# Altium PCB HDMI_to_RGB.PcbDoc (part 2 of 2)
Units mil, origin at the board's own origin, x right, y up, seen from the top; angles counter-clockwise.
Board outline 2363 x 1449 mil, 2 copper layers (Top Layer, Bottom Layer); 96 components, 139 nets, 535 pads, 200 vias.
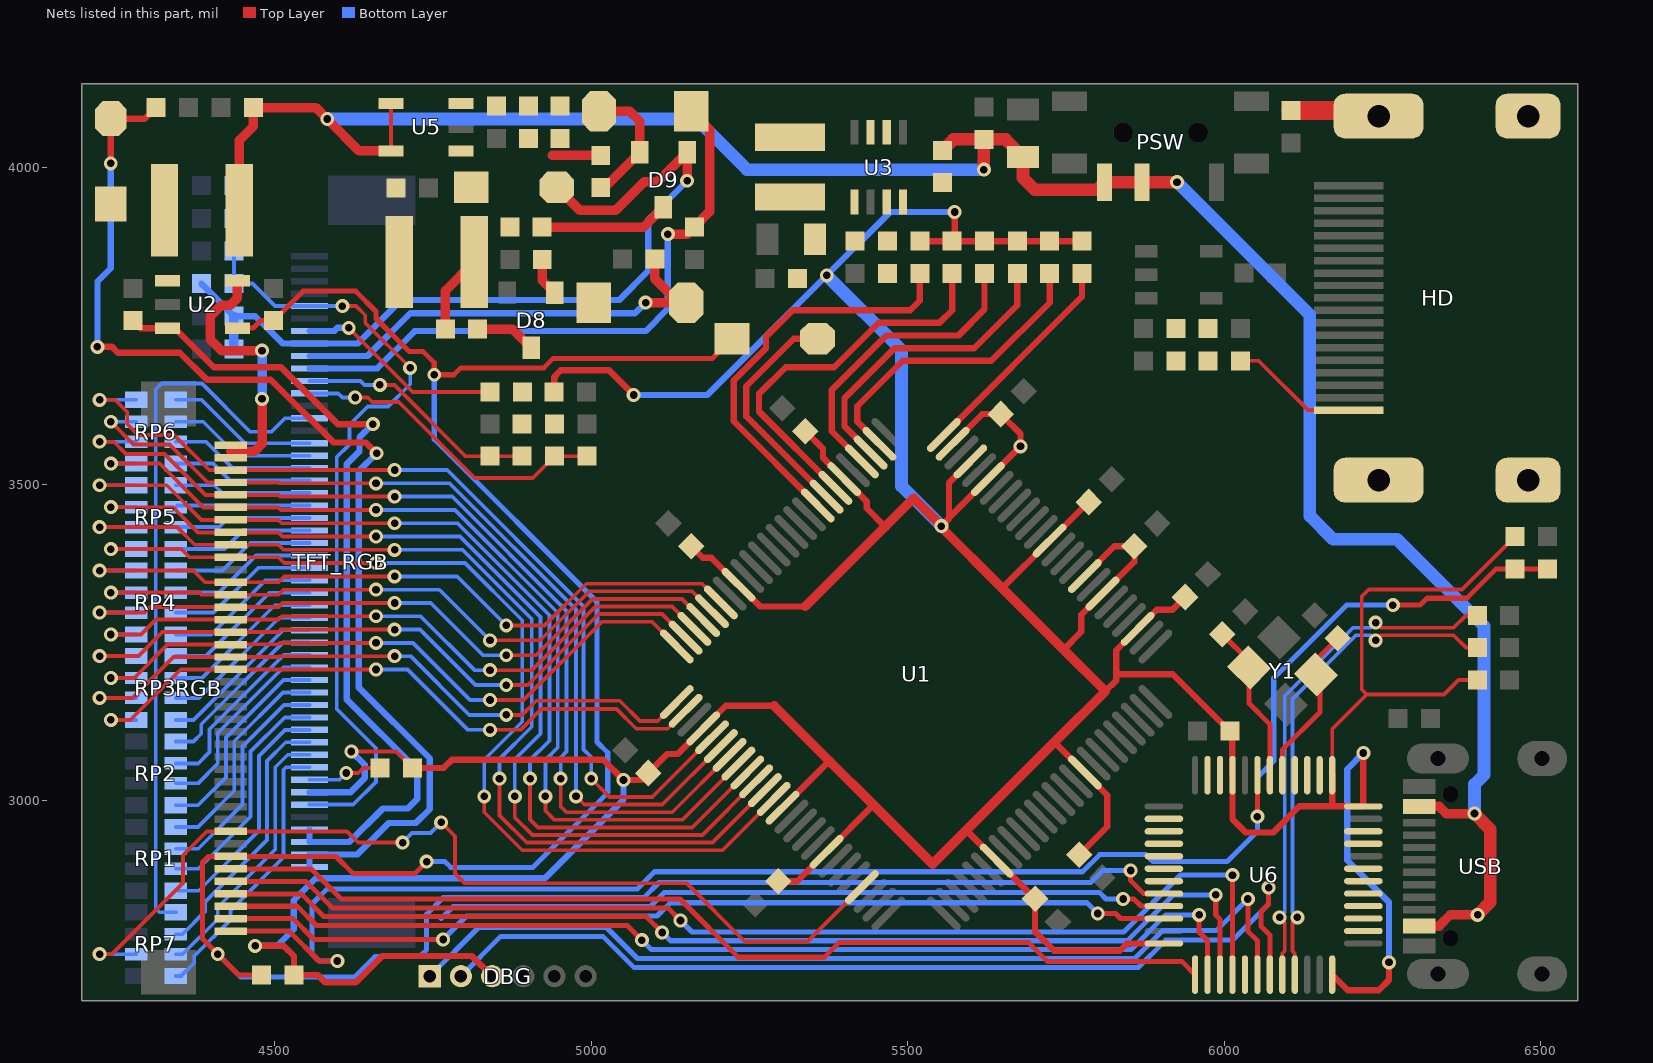
[diagram p2: the nets of this part, all layers, seen from the top]

## Via types
v1: diameter 22, hole 12, Top Layer to Bottom Layer, 146 vias
v2: diameter 22/22 (per signal layer), hole 12, Top Layer to Bottom Layer, 53 vias
v3: diameter 200, hole 150, Top Layer to Bottom Layer, 1 vias

## Nets (pads, with @x,y where several pads share a name; then routed paths per layer and width w, separated by ;. In a path a pad name is that pad's centre, name@x,y a point inside that pad or via, vN(x,y) a via of type N, cw(c..) or ccw(c..) an arc to the next point about the centre after c; other vN are vias at no path point) (continued)
LCD_BL: D2.1 R25.1 R27.1 RGB.34 U2.4 U6.20 | length 4264.9
  Top Layer w8: U2.4@4441.12,3746.6 4465.6,3746.6 4477.41,3758.41 R25.1@4498,3758.41 4544.6,3805 4628,3805 4660,3773 4660,3762 4712,3710 4734,3710 4752,3692 v1(4752,3673) 4783,3673 4794,3684 4925,3684 4940,3699 5191.5,3699 D2.1@5222.5,3730 ; R27.1@4479.41,2725 4443,2725 v1(4410,2758) 4386,2782 4386,2903 4395.25,2912.25 RGB.34@4430.31,2912.25 4596.75,2912.25 4624,2885 4721,2885 v1(4740,2904) ; v1(5852,2890) 5852,2874 5872.53,2853.47 U6.20@5904.54,2853.47
  Bottom Layer w8: v1(4410,2758) 4446,2722 4627,2722 4659,2754 4729,2754 4740,2765 4740,2821 4766,2847 5083,2847 5107,2871 5789,2871 5808,2890 v1(5852,2890) ; v1(4740,2904) 4769,2904 4778,2895 4908,2895 5026,3013 5026,3076 5009,3093 5009,3314 4752,3571 v1(4752,3673)
LCD_G0: RGB.12 RP4.7 U1.20 | length 1121.8
  Top Layer w6: v1(4223.39,3363.6) 4371.4,3363.6 4389.68,3345.32 RGB.12@4430.31,3345.32 4506,3345.32 4515.19,3354.51 v1(4689.55,3354.51) ; v1(4865.71,3277.14) 4926.14,3277.14 4992,3343 5175.13,3343 U1.20@5204.67,3313.45
  Bottom Layer w6: v1(4223.39,3363.6) RP4.7@4281,3363.6 ; v1(4689.55,3354.51) 4788.35,3354.51 v1(4865.71,3277.14)
LCD_G1: RGB.13 RP4.5 U1.21 | length 1072.1
  Top Layer w6: v1(4241.25,3328.95) 4381.05,3328.95 4384.36,3325.64 RGB.13@4430.31,3325.64 4506,3325.64 4513.87,3333.51 v1(4660,3333.51) ; v1(4840,3253.57) 4919.54,3253.57 4996.97,3331 5159.29,3331 U1.21@5190.75,3299.53
  Bottom Layer w6: v1(4241.25,3328.95) RP4.5@4281,3328.95 ; v1(4660,3333.51) 4760.06,3333.51 v1(4840,3253.57)
LCD_G2: RGB.14 RP4.3 U1.22 | length 1103
  Top Layer w6: v1(4223.39,3297.45) 4294.45,3297.45 4302.95,3305.95 RGB.14@4430.31,3305.95 4506,3305.95 4512.56,3312.51 v1(4689.55,3312.51) ; v1(4865.71,3230) 4912.94,3230 5001.94,3319 5143.45,3319 U1.22@5176.83,3285.62
  Bottom Layer w6: v1@4222.55,3297.45 v1(4223.39,3297.45) RP4.3@4281,3297.45 ; v1(4689.55,3312.51) 4746.49,3312.51 4829,3230 v1(4865.71,3230)
LCD_G3: RGB.15 RP4.1 U1.23 | length 1064.9
  Top Layer w6: v1(4241.25,3262.81) 4288.81,3262.81 4312.27,3286.27 RGB.15@4430.31,3286.27 4506,3286.27 4511.25,3291.52 v1(4660,3291.52) ; v1(4840,3206.43) 4906.34,3206.43 5006.91,3307 5127.61,3307 U1.23@5162.92,3271.7
  Bottom Layer w6: v1@4241.19,3262.81 v1(4241.25,3262.81) RP4.1@4281,3262.81 ; v1(4660,3291.52) 4730.48,3291.52 4815.57,3206.43 v1(4840,3206.43)
LCD_G4: RGB.16 RP3.7 U1.24 | length 1098.8
  Top Layer w6: v1(4223.39,3228.7) 4284.7,3228.7 4322.58,3266.58 RGB.16@4430.31,3266.58 4506,3266.58 4509.94,3270.52 v1(4689.55,3270.52) ; v1(4865.71,3182.86) 4899.74,3182.86 5011.88,3295 5111.77,3295 U1.24@5149,3257.78
  Bottom Layer w6: v1@4223.3,3228.7 v1(4223.39,3228.7) RP3.7@4281,3228.7 ; v1(4689.55,3270.52) 4729.48,3270.52 4817.14,3182.86 v1(4865.71,3182.86)
LCD_G5: RGB.17 RP3.5 U1.25 | length 1061.7
  Top Layer w6: v1(4241.25,3194.05) 4278.05,3194.05 4330.9,3246.9 RGB.17@4430.31,3246.9 4430.62,3247.21 4506,3247.21 4508.31,3249.52 v1(4660,3249.52) ; v1(4840,3159.29) 4893.14,3159.29 5016.85,3283 5095.93,3283 U1.25@5135.08,3243.86
  Bottom Layer w6: v1@4240.95,3194.05 v1(4241.25,3194.05) RP3.5@4281,3194.05 ; v1(4660,3249.52) 4718.48,3249.52 4808.71,3159.29 v1(4840,3159.29)
LCD_G6: RGB.18 RP3.3 U1.26 | length 1071
  Top Layer w6: v1(4223.39,3162.55) 4275.55,3162.55 4340.21,3227.21 RGB.18@4430.31,3227.21 4506,3227.21 4507.31,3228.52 v1(4689.55,3228.52) ; v1(4865.71,3135.71) 4890.71,3135.71 4913,3158 5045,3158 5077,3126 5104.93,3126 U1.26@5135.08,3156.14
  Bottom Layer w6: v1@4222.45,3162.55 v1(4223.39,3162.55) RP3.3@4281,3162.55 ; v1(4689.55,3228.52) 4714.48,3228.52 4807.29,3135.71 v1(4865.71,3135.71)
LCD_G7: RGB.19 RP3.1 U1.27 | length 1058.1
  Top Layer w6: v1(4241.25,3127.91) 4271.91,3127.91 4351.53,3207.53 RGB.19@4430.31,3207.53 v1(4660,3207.53) ; v1(4840,3112.14) 4888.14,3112.14 4921,3145 5040,3145 5071,3114 5120.77,3114 U1.27@5149,3142.22
  Bottom Layer w6: v1(4241.25,3127.91) RP3.1@4281,3127.91 ; v1(4660,3207.53) 4709.68,3207.53 4805.06,3112.14 v1(4840,3112.14)
LCD_LR: R20.2 R21.1 TFT_RGB.39 | length 507.6
  Top Layer w6: v1(4627,3637) 4647,3637 4654,3630 4696,3630 4816,3510 4907.58,3510 R20.2@4942,3544.41 R21.1@4993,3544.41
  Bottom Layer w6: TFT_RGB.39@4555,3643.61 4600.39,3643.61 4607,3637 v1(4627,3637)
LCD_R0: RGB.3 RP6.7 U1.30 | length 1487.4
  Top Layer w6: v1(4223.39,3633.39) 4247.61,3633.39 4267,3614 4267,3595 4284,3578 4341,3578 4396.51,3522.49 RGB.3@4430.31,3522.49 4506,3522.49 v1(4689.55,3522.49) ; v1(5000,3035) 5029,3006 5096.29,3006 U1.30@5190.75,3100.46
  Bottom Layer w6: v1(4223.39,3633.39) RP6.7@4281,3633.39 ; v1(4689.55,3522.49) 4772.51,3522.49 4987.86,3307.14 4987.86,3081.14 5000,3069 v1(5000,3035)
LCD_R1: RGB.4 RP6.5 U1.31 | length 1464.9
  Top Layer w6: v1(4241.25,3598.75) 4277,3563 4334,3563 4394.2,3502.8 RGB.4@4430.31,3502.8 4506,3502.8 4507.31,3501.49 v1(4660,3501.49) ; v1(4975.86,3007) 4988.86,2994 5112.13,2994 U1.31@5204.67,3086.55
  Bottom Layer w6: v1(4241.25,3598.75) RP6.5@4281,3598.75 ; v1(4660,3501.49) 4776.54,3501.49 4975.86,3302.17 v1(4975.86,3007)
LCD_R2: RGB.5 RP6.3 U1.32 | length 1528.1
  Top Layer w6: v1@4222.75,3567.25 v1(4223.39,3567.25) 4245.75,3567.25 4265,3548 4326,3548 4390.88,3483.12 RGB.5@4430.31,3483.12 4506,3483.12 4508.63,3480.49 v1(4689.55,3480.49) ; v1(4951.71,3035) 4951.71,2991.29 4961,2982 5127.97,2982 U1.32@5218.59,3072.63
  Bottom Layer w6: v1@4222.75,3567.25 v1(4223.39,3567.25) RP6.3@4281,3567.25 ; v1(4689.55,3480.49) 4780.57,3480.49 4961,3300.06 4961,3078 4951.71,3068.71 v1(4951.71,3035)
LCD_R3: RGB.6 RP6.1 U1.33 | length 1511.4
  Top Layer w6: v1(4241.25,3532.61) 4318.39,3532.61 4387.57,3463.43 RGB.6@4430.31,3463.43 4506,3463.43 4509.94,3459.5 v1(4660,3459.5) ; v1(4927.57,3007) 4927.57,2984.43 4942,2970 5143.81,2970 U1.33@5232.51,3058.71
  Bottom Layer w6: v1(4241.25,3532.61) RP6.1@4281,3532.61 ; v1(4660,3459.5) 4784.59,3459.5 4947,3297.09 4947,3084.03 4927.57,3064.6 v1(4927.57,3007)
LCD_R4: RGB.7 RP5.7 U1.34 | length 1572.7
  Top Layer w6: v1(4223.39,3498.49) 4329.51,3498.49 4384.25,3443.75 RGB.7@4430.31,3443.75 4506,3443.75 4511.25,3438.5 v1(4689.55,3438.5) ; v1(4903.43,3035) 4903.43,2970.57 4916,2958 5159.64,2958 U1.34@5246.43,3044.79
  Bottom Layer w6: v1(4223.39,3498.49) RP5.7@4281,3498.49 ; v1(4689.55,3438.5) 4788.62,3438.5 4934,3293.12 4934,3095 4903.43,3064.43 v1(4903.43,3035)
LCD_R5: RGB.8 RP5.5 U1.35 | length 1551.6
  Top Layer w6: v1(4241.15,3463.85) 4339.15,3463.85 4378.94,3424.06 RGB.8@4430.31,3424.06 4506,3424.06 4512.56,3417.5 v1(4660,3417.5) ; v1(4879.29,3007) 4879.29,2973.71 4907,2946 5175.48,2946 U1.35@5260.35,3030.87
  Bottom Layer w6: v1(4241.15,3463.85) RP5.5@4281,3463.85 ; v1(4660,3417.5) 4792.65,3417.5 4920,3290.15 4920,3106 4879.29,3065.29 v1(4879.29,3007)
LCD_R6: RGB.9 RP5.3 U1.36 | length 1603
  Top Layer w6: v1(4223.39,3432.35) 4345.65,3432.35 4373.62,3404.38 RGB.9@4430.31,3404.38 4506,3404.38 4513.87,3396.5 v1(4689.55,3396.5) ; v1(4855.14,3035) 4855.14,2976.86 4898,2934 5191.32,2934 U1.36@5274.27,3016.95
  Bottom Layer w6: v1(4223.39,3432.35) RP5.3@4281,3432.35 ; v1(4689.55,3396.5) 4796.67,3396.5 4906,3287.18 4906,3117 4855.14,3066.14 v1(4855.14,3035)
LCD_R7: RGB.10 RP5.1 U1.37 | length 1579.8
  Top Layer w6: v1(4241.25,3397.71) 4352.29,3397.71 4365.31,3384.69 RGB.10@4430.31,3384.69 4506,3384.69 4515.19,3375.51 v1(4660,3375.51) ; v1(4831,3007) 4831,2982 4891,2922 5207.16,2922 U1.37@5288.19,3003.03
  Bottom Layer w6: v1(4241.25,3397.71) RP5.1@4281,3397.71 ; v1(4660,3375.51) 4800.7,3375.51 4891,3285.21 4891,3124.98 4831,3064.98 v1(4831,3007)
LCD_UD: R22.2 R23.1 TFT_RGB.40 | length 385.2
  Top Layer w6: v1(4666,3657) 4689,3657 4801.59,3544.41 R22.2@4891,3544.41
  Bottom Layer w6: TFT_RGB.40@4555,3663.3 4635.7,3663.3 4642,3657 v1(4666,3657)
NetC13_1: C13.1 C14.1 R17.1 R18.1 TFT_RGB.6 TFT_RGB.46 | length 1361.5
  Top Layer w6: v1(4607,3781.41) 4628.59,3781.41 4643,3767 4643,3755 v1(4714,3684)
  Bottom Layer w6: C13.1@4435.59,3971.58 R17.1@4435.59,3817.04 4464.96,3817.04 4500.59,3781.41 TFT_RGB.46@4555,3781.41 v1(4607,3781.41) ; TFT_RGB.6@4555,2994.01 4624.01,2994.01 4660,3030 4660,3083 4598,3145 4598,3543 4618,3563 4618,3594 4647,3623 4679,3623 4714,3658 v1(4714,3684)
NetC24_1: C24.1 D6.1 D8.1 | length 60.9
  Top Layer w15: C24.1@4922.59,3855 4922.59,3822.11 D8.1@4942.4,3802.31
NetC25_1: C25.1 D8.3 | length 96.5
  Top Layer w15: C25.1@4820.59,3745 4875.69,3745 D8.3@4905,3715.69
NetC25_2: C25.2 C26.1 D5.1 L5.1 U5.1 | length 124.9
  Top Layer w15: C25.2@4769.41,3745 4769.41,3805.36 L5.1@4815.06,3851
NetC26_2: C26.2 D9.3 | length 204.5
  Top Layer w15: C26.2@4922.59,3906 5082.3,3906 D9.3@5114,3937.69
NetC27_2: C27.2 D7.2 D9.2 | length 204.9
  Top Layer w15: D7.2@5011.97,4089 5061,4089 5076.6,4073.4 D9.2@5076.6,4024.31 5020.7,3968.41 C27.2@5015,3968.41
NetC32_2: C32.2 R31.2 R32.2 U5.3
NetD1_1: D1.1 L1.2 U2.1
NetHD_19: HD.19 R1.2 | length 203.1
  Top Layer w6: R1.2@6025.59,3695 6054,3695 6131.88,3617.12 HD.19@6196.45,3617.12
NetHD_G1: HD.G1 HD.G2 HD.G3 HD.G4 R4.2 | length 142.3
  Top Layer w30: R4.2@6105,4090.59 6234.49,4090.59 HD.G4@6243.57,4081.5
NetL3_2: L3.2 U3.3
NetR1_1: R1.1 R2.1 R3.1 R5.1
NetR16_2: R16.2 TFT_RGB.8 | length 119.1
  Top Layer w6: v1(4613,3044) 4632,3044 4640,3052 R16.2@4666.41,3052
  Bottom Layer w6: TFT_RGB.8@4555,3033.38 4602.38,3033.38 v1(4613,3044)
NetR19_1: R19.1 TFT_RGB.44 | length 328.9
  Top Layer w6: v1(4617,3747) 4718,3646 R19.1@4840,3646
  Bottom Layer w10: TFT_RGB.44@4555,3742.04 4594.04,3742.04 4599,3747 v1(4617,3747)
NetR28_1: R28.1 U3.8
NetR29_2: R29.2 R30.1 U3.7
NetRP1_2: RP1.2 TFT_RGB.12 | length 385.3
  Bottom Layer w6: RP1.2@4343.99,2858.11 4380.11,2858.11 4475,2953 4475,3071 4516.12,3112.12 TFT_RGB.12@4555,3112.12
NetRP1_4: RP1.4 TFT_RGB.13 | length 370.4
  Bottom Layer w6: RP1.4@4343.99,2892.76 4379.76,2892.76 4462,2975 4462,3078 4515.8,3131.8 TFT_RGB.13@4555,3131.8
NetRP1_6: RP1.6 TFT_RGB.14 | length 359
  Bottom Layer w6: RP1.6@4343.99,2924.25 4379.25,2924.25 4449,2994 4449,3086 4514.49,3151.49 TFT_RGB.14@4555,3151.49
NetRP1_8: RP1.8 TFT_RGB.15 | length 344.6
  Bottom Layer w6: RP1.8@4343.99,2958.9 4378.9,2958.9 4436,3016 4436,3094 4513.17,3171.17 TFT_RGB.15@4555,3171.17
NetRP2_2: RP2.2 TFT_RGB.16 | length 329.9
  Bottom Layer w6: RP2.2@4343.99,2993.01 4379.01,2993.01 4423,3037 4423,3100 4513.86,3190.86 TFT_RGB.16@4555,3190.86
NetRP2_4: RP2.4 TFT_RGB.17 | length 314.9
  Bottom Layer w6: RP2.4@4343.99,3027.66 4378.66,3027.66 4410,3059 4410,3107 4513.54,3210.54 TFT_RGB.17@4555,3210.54
NetRP2_6: RP2.6 TFT_RGB.18 | length 303
  Bottom Layer w6: RP2.6@4343.99,3059.15 4379.15,3059.15 4397,3077 4397,3113 4514.23,3230.23 TFT_RGB.18@4555,3230.23
NetRP2_8: RP2.8 TFT_RGB.19 | length 284.5
  Bottom Layer w6: RP2.8@4343.99,3093.8 4371.8,3093.8 4384,3106 4384,3121 4512.91,3249.91 TFT_RGB.19@4555,3249.91
NetRP3_2: RP3.2 TFT_RGB.20 | length 269.7
  Bottom Layer w6: RP3.2@4343.99,3127.91 4371.91,3127.91 4513.6,3269.6 TFT_RGB.20@4555,3269.6
NetRP3_4: RP3.4 TFT_RGB.21 | length 263.5
  Bottom Layer w6: RP3.4@4343.99,3162.55 4380.55,3162.55 4507.28,3289.28 TFT_RGB.21@4555,3289.28
NetRP3_6: RP3.6 TFT_RGB.22 | length 258.6
  Bottom Layer w6: RP3.6@4343.99,3194.05 4385.05,3194.05 4499.97,3308.97 TFT_RGB.22@4555,3308.97
NetRP3_8: RP3.8 TFT_RGB.23 | length 252.4
  Bottom Layer w6: RP3.8@4343.99,3228.7 4391.7,3228.7 4491.65,3328.65 TFT_RGB.23@4555,3328.65
NetRP4_2: RP4.2 TFT_RGB.24 | length 246.4
  Bottom Layer w6: RP4.2@4343.99,3262.81 4399.81,3262.81 4485.34,3348.34 TFT_RGB.24@4555,3348.34
NetRP4_4: RP4.4 TFT_RGB.25 | length 240.2
  Bottom Layer w6: RP4.4@4343.99,3297.45 4403.45,3297.45 4474.02,3368.02 TFT_RGB.25@4555,3368.02
NetRP4_6: RP4.6 TFT_RGB.26 | length 235.3
  Bottom Layer w6: RP4.6@4343.99,3328.95 4411.95,3328.95 4470.71,3387.71 TFT_RGB.26@4555,3387.71
NetRP4_8: RP4.8 TFT_RGB.27 | length 229.1
  Bottom Layer w6: RP4.8@4343.99,3363.6 4417.6,3363.6 4461.39,3407.39 TFT_RGB.27@4555,3407.39
NetRP5_2: RP5.2 TFT_RGB.28 | length 223.2
  Bottom Layer w6: RP5.2@4343.99,3397.71 4420.71,3397.71 4450.08,3427.08 TFT_RGB.28@4555,3427.08
NetRP5_4: RP5.4 TFT_RGB.29 | length 217
  Bottom Layer w6: RP5.4@4343.99,3432.35 4412.35,3432.35 4426.76,3446.76 TFT_RGB.29@4555,3446.76
NetRP5_6: RP5.6 TFT_RGB.30 | length 212.1
  Bottom Layer w6: RP5.6@4343.99,3463.85 4346.59,3466.45 TFT_RGB.30@4555,3466.45
NetRP5_8: RP5.8 TFT_RGB.31 | length 216.1
  Bottom Layer w6: RP5.8@4343.99,3498.49 4404.51,3498.49 4416.87,3486.13 TFT_RGB.31@4555,3486.13
NetRP6_2: RP6.2 TFT_RGB.32 | length 222.1
  Bottom Layer w6: RP6.2@4343.99,3532.61 4402.39,3532.61 4429.18,3505.82 TFT_RGB.32@4555,3505.82
NetRP6_4: RP6.4 TFT_RGB.33 | length 228.3
  Bottom Layer w6: RP6.4@4343.99,3567.25 4391.75,3567.25 4433.5,3525.5 TFT_RGB.33@4555,3525.5
NetRP6_6: RP6.6 TFT_RGB.34 | length 233.2
  Bottom Layer w6: RP6.6@4343.99,3598.75 4387.25,3598.75 4440.81,3545.19 TFT_RGB.34@4555,3545.19
NetRP6_8: RP6.8 TFT_RGB.35 | length 239.4
  Bottom Layer w6: RP6.8@4343.99,3633.39 4384.61,3633.39 4453.13,3564.87 TFT_RGB.35@4555,3564.87
NetRP7_2: RP7.2 TFT_RGB.9 | length 443.7
  Bottom Layer w6: RP7.2@4343.99,2723.21 4352.21,2723.21 4373,2744 4373,2755 4430,2812 4430,2827 4514,2911 4514,3049 4518.06,3053.06 TFT_RGB.9@4555,3053.06
NetRP7_4: RP7.4 TFT_RGB.10 | length 428.7
  Bottom Layer w6: RP7.4@4343.99,2757.86 4354.86,2757.86 4410,2813 4410,2832 4501,2923 4501,3053 4520.75,3072.75 TFT_RGB.10@4555,3072.75
NetRP7_6: RP7.6 TFT_RGB.11 | length 418.6
  Bottom Layer w6: RP7.6@4343.99,2789.35 4354.35,2789.35 4390,2825 4390,2840 4488,2938 4488,3063 4517.43,3092.43 TFT_RGB.11@4555,3092.43
NetRP7_8: RP7.8 TFT_RGB.37 | length 1141.5
  Bottom Layer w6: RP7.8@4343.99,2824 4318,2824 4312,2830 4312,3650 4321,3659 4385,3659 4461,3583 4495,3583 4516.24,3604.24 TFT_RGB.37@4555,3604.24
OCK_INV: R13.2 U1.100 | length 345.2
  Top Layer w10: U1.100@5556.86,3577.92 5775,3796.06 R13.2@5775,3832.82
OSC_IN: C36.2 U6.5 Y1.1 | length 257.8
  Top Layer w8: U6.5@6091.53,3040.46 6091.53,3080.53 6151,3140 6151,3193.33 Y1.1@6144.89,3199.43 6144.89,3222.71 C36.2@6179.09,3256.9
OSC_OUT: C35.2 U6.6 Y1.3 | length 253.5
  Top Layer w8: C35.2@5996.9,3262.91 6039.11,3220.71 Y1.3@6039.11,3210.57 6039.11,3153.89 6071.84,3121.16 U6.6@6071.84,3040.46
PA0: U6.10
PA1: U6.11
PA4: U6.14
PA5: U6.15
PA6: U6.16
PA7: U6.17
PA8: U6.29
PA9: DBG.1 U6.30 | length 1508.9
  Top Layer w8: v1(6037,2845) 6037,2794 6052.16,2778.84 U6.30@6052.16,2725.54
  Bottom Layer w8: DBG.1@4745,2723 4822,2800 5024,2800 5073,2751 5858.4,2751 5902.4,2795 5987,2795 v1(6037,2845)
PA10: DBG.2 U6.31 | length 1537.8
  Top Layer w8: v1(6070,2863) 6070,2837 6058,2825 6058,2802 6071.84,2788.16 U6.31@6071.84,2725.54
  Bottom Layer w8: DBG.2@4794.21,2723 4857.21,2786 5018.2,2786 5067.2,2737 5864.2,2737 5907.2,2780 6013,2780 6070,2837 v1(6070,2863)
PA11: R51.2 U6.32 | length 811.9
  Top Layer w6: v1(6087.37,2816) 6095.37,2808 6095.37,2762.89 6091.53,2759.05 U6.32@6091.53,2725.54 ; v1(6239,3281.5) 6247,3273.5 6361.91,3273.5 6381.41,3293 R51.2@6399.41,3293
  Bottom Layer w6: v1(6087.37,2816) 6095.37,2824 6095.37,3165.84 6203.03,3273.5 6231,3273.5 v1(6239,3281.5)
PA12: R50.2 U6.33 | length 792
  Top Layer w6: U6.33@6111.21,2725.54 6111.21,2759.05 6107.37,2762.89 6107.37,2808 v1(6115.37,2816) ; v1(6239,3253.5) 6247,3261.5 6361.91,3261.5 6381.41,3242 R50.2@6399.41,3242
  Bottom Layer w6: v1(6115.37,2816) 6107.37,2824 6107.37,3160.87 6208,3261.5 6231,3261.5 v1(6239,3253.5)
PA15: U6.38
PB0: U6.18
PB1: U6.19
PB3: U6.39
PB4: U6.40
PB5: U6.41
PB6: U6.42
PB7: U6.43
PB8: U6.45
PB9: U6.46
PB10: U6.21 | length 1167.3
  Top Layer w8: v1(5840,2845) 5857,2845 5868.21,2833.79 U6.21@5904.54,2833.79
  Bottom Layer w8: 4763,2814 4782,2833 5093,2833 5115,2855 5803,2855 5813,2845 v1(5840,2845)
PB11: RGB.39 U6.22 | length 1522.2
  Top Layer w8: RGB.39@4430.31,2813.83 4529.17,2813.83 4562,2781 v2(4766,2781) ; v1(5800,2822) 5828,2822 5835.9,2814.1 U6.22@5904.54,2814.1
  Bottom Layer w8: v2(4766,2781) 4803,2818 5104,2818 5125,2839 5783,2839 v1(5800,2822)
PB12: RGB.35 U6.25 | length 1611.7
  Top Layer w8: RGB.35@4430.31,2892.57 4557.43,2892.57 4605,2845 5140,2845 5232,2753 5368,2753 5391,2776 5691,2776 5721,2746 5933.27,2746 U6.25@5953.73,2725.54
PB13: RGB.38 U6.26 | length 1680.9
  Top Layer w8: RGB.38@4430.31,2833.51 4535.49,2833.51 4566,2803 5057,2803 v1(5080,2780) ; v1(5960,2820) 5960,2793 5973.42,2779.58 U6.26@5973.42,2725.54
  Bottom Layer w8: v1(5080,2780) 5095,2765 5852.6,2765 5907.6,2820 v1(5960,2820)
PB14: RGB.37 U6.27 | length 1745.4
  Top Layer w8: RGB.37@4430.31,2853.2 4541.8,2853.2 4578,2817 5087,2817 v1(5112,2792) ; v1(5986.39,2851.39) 5986.39,2819.61 5993.1,2812.9 U6.27@5993.1,2725.54
  Bottom Layer w8: v1(5112,2792) 5125,2779 5846.8,2779 5919.19,2851.39 v1(5986.39,2851.39)
PB15: RGB.36 U6.28 | length 1810
  Top Layer w8: RGB.36@4430.31,2872.88 4549.12,2872.88 4591,2831 5121,2831 v1(5141,2811) ; U6.28@6012.79,2725.54 v1(6012.79,2882.79)
  Bottom Layer w8: v1(5141,2811) 5159,2793 5841,2793 5930.79,2882.79 v1(6012.79,2882.79)
PC13: U6.2
PC14: U6.3
PC15: U6.4
PD: R9.2 U1.2 | length 491.3
  Top Layer w10: U1.2@5455.22,3564 5420,3599.23 5420,3623 5492,3695 5632,3695 5724,3787 R9.2@5724,3832.82
PDO: R10.2 U1.9 | length 652
  Top Layer w10: U1.9@5357.79,3466.57 5225,3599.36 5225,3664 5276,3715 5276,3733 5318,3775 5504,3775 5519,3790 R10.2@5519,3832.82
PIXS: R14.2 U1.4 | length 482.9
  Top Layer w10: U1.4@5427.38,3536.17 5380,3583.55 5380,3649 5466,3735 5580,3735 5621,3776 R14.2@5621,3832.82
RESET: C37.2 R34.1 RGB.40 U6.7 | length 2683.2
  Top Layer w8: RGB.40@4430.31,2794.14 4522.86,2794.14 4570,2747 v1(4599,2747) ; v1(6052.16,2975) U6.7@6052.16,3040.46 ; v1(6266,3309) 6309,3309 6320,3320 6383,3320 6429.41,3366.41 R34.1@6459,3366.41 C37.2@6510,3366.41
  Bottom Layer w8: v1(4599,2747) 4570,2747 4559,2758 4559,2837 4583,2861 5073,2861 5100,2888 5776,2888 5803,2915 5876,2915 5887,2904 6004,2904 6052.16,2952.16 v1(6052.16,2975) 6052.16,3037.16 6078,3063 6078,3194 6193,3309 v1(6266,3309)
SCDT: D2.2 U1.8 | length 370.6
  Top Layer w10: D2.2@5357.5,3730 5320,3730 5245,3655 5245,3607.19 U1.8@5371.71,3480.49
ST: R12.2 U1.3 | length 486.7
  Top Layer w10: U1.3@5441.3,3550.08 5400,3591.39 5400,3636 5479,3715 5605,3715 5673,3783 R12.2@5673,3832.82
STAG: R11.2 U1.7 | length 616
  Top Layer w10: U1.7@5385.63,3494.41 5265,3615.03 5265,3643 5307,3685 5384,3685 5454,3755 5550,3755 5570,3775 R11.2@5570,3832.82
USB_5V: C17.2 C19.2 C20.2 C29.2 L1.1 L5.2 PSW.2 PSW.3 R28.2 RGB.1 RGB.2 U2.5 U3.2 U5.4 U5.5 USB.2 USB.11 | length 4087.4
  Top Layer w6: U5.5@4683.88,4026.6 U5.4@4683.88,4101.4
  Top Layer w15: 4430.31,3552 4468,3552 4480,3564 v1(4480,3635) ; U2.5@4441.12,3821.4 4441.12,3794.12 4430,3783 4416,3783 4398,3765 4398,3729 4416,3711 v1(4480,3711) ; L1.1@4444.06,3933 4444.06,4043.06 4466.18,4065.18 C17.2@4466.18,4095 4565,4095 v1(4583,4077) 4633.4,4026.6 U5.5@4683.88,4026.6 ; USB.2@6307.98,2802.29 6339.1,2802.29 6356.81,2820 v1(6400,2820) ; USB.11@6307.98,2991.27 6339.1,2991.27 6350.37,2980 v1(6395,2980)
  Top Layer w20: R28.2@5555,4027.59 5572.17,4044.75 C20.2@5620,4044.75 ; v1(5620,3997) C20.2@5620,4044.75 ; v1(5925.2,3977.2) PSW.2@5869.77,3977.2 PSW.3@5810.72,3977.2 5798.51,3965 5701,3965 5682,3984 C19.2@5682,4017.2 5654.44,4044.75 C20.2@5620,4044.75 ; v1(6395,2980) 6420,2955 6420,2840 v1(6400,2820)
  Bottom Layer w15: v1(4480,3635) v1(4480,3711)
  Bottom Layer w20: v1(4583,4077) 5166,4077 5246,3997 v1(5620,3997) ; v1(5925.2,3977.2) 6135,3767.41 6135,3450 6172,3413 6273,3413 6410,3276 6410,3041 6395,3026 v1(6395,2980)
VCC3.3: C2.2 C3.2 C4.2 C5.2 C6.2 C7.2 C8.2 C9.2 C10.2 C11.2 C16.2 C21.2 C22.2 C42.2 DBG.3 L3.1 R9.1 R10.1 R11.1 R12.1 R13.1 R14.1 R16.1 R19.2 R20.1 R22.1 R27.2 R29.1 R34.2 R37.2 TFT_RGB.7 U1.6 U1.18 U1.29 U1.38 U1.43 U1.57 U1.67 U1.78 U1.82 U1.84 U1.88 U1.95 U1.97 U1.99 U3.5 U6.1 U6.9 U6.24 U6.36 U6.48 | length 9590.3
  Top Layer w6: v1(4621,3078) 4691.59,3078 R16.1@4717.59,3052 ; U6.1@6170.27,3040.46 6170.27,3113.27 6225,3168 ; R37.2@6399.41,3191 6370,3191 6347,3168 6225,3168 ; R34.2@6459,3417.59 6375.42,3334 6228,3334 6217,3323 6217,3176 6225,3168
  Top Layer w10: v1(4469,2771) 4514,2771 4530.59,2754.41 R27.2@4530.59,2725 4568,2725 4580,2713 4628,2713 4670,2755 4811.43,2755 DBG.3@4843.43,2723 ; R16.1@4717.59,3052 4767,3052 4780,3065 5019,3065 v1(5051,3033) 5079.19,3033 C10.2@5090.09,3043.9 5120.19,3074 5136.45,3074 U1.29@5176.83,3114.38 5212.45,3150 5289,3150 ; C16.2@4941.41,3646 4941.41,3669.41 4952,3680 5028,3680 v1(5067,3641) ; C6.2@5158.09,3401.9 5176,3384 5189.81,3384 U1.18@5232.51,3341.29 5266.81,3307 5338,3307 ; C11.2@5295.1,2873.09 5325.29,2873.09 U1.43@5371.71,2919.51 5445,2992.81 5445,2994 ; U1.38@5302.11,2989.11 5376,3063 ; C7.2@5338.09,3583.9 5366,3556 5366,3541.87 U1.6@5399.55,3508.33 5435,3472.87 5435,3462 5464,3433 ; R10.1@5519,3884 R11.1@5570,3884 ; v2(5553,3434) 5565,3446 5565,3446.87 ; U1.99@5570.78,3564 5617.68,3610.91 C2.2@5646.9,3610.91 5678,3579.81 v1(5678,3559.87) U1.95@5626.45,3508.33 5565,3446.87 ; v1(5574,3930) 5574,3888 R11.1@5570,3884 ; 5593.5,2954.5 5593.5,2952.47 C8.2@5700.91,2845.1 ; U1.97@5598.62,3536.17 5565,3502.55 5565,3446.87 ; 5649.5,3335.5 5649.5,3336.5 U1.88@5723.89,3410.89 5784.91,3471.91 C3.2@5785.9,3471.91 ; C8.2@5700.91,2845.1 5700.91,2793.09 5731,2763 5835,2763 5846.73,2774.73 U6.24@5904.54,2774.73 ; 5731.68,3092.68 U1.67@5779.57,3044.79 5779.57,3044.44 5815,3009 5815,2959.19 C9.2@5770.91,2915.1 ; 5746,3239 5774,3267 5774,3293.97 U1.82@5807.41,3327.37 5857.9,3377.87 C4.2@5857.9,3401.91 5826.26,3401.91 U1.84@5779.57,3355.21 ; R13.1@5775,3884 R9.1@5724,3884 R12.1@5673,3884 R14.1@5621,3884 R11.1@5570,3884 ; 5812,3173 5829,3190 5829,3200 ; C5.2@5937.9,3321.91 5918,3302 5893.39,3302 U1.78@5863.08,3271.7 5829,3237.61 5829,3200 ; C42.2@6008.59,3110 5918.58,3200 5829,3200 ; C42.2@6012.59,3107 6012.59,3040.66 U6.9@6012.79,3040.46 6012.79,2971.21 6034,2950 6077,2950 6118.27,2991.27 U6.48@6219.46,2991.27 v1(6219.46,3075.54) ; U6.36@6170.27,2725.54 6194.8,2701 6244,2701 6260,2717 v1(6260,2745) ; 6170.27,2994.27 U6.1@6170.27,3040.46
  Top Layer w15: 5289,3150 5376,3063 5445,2994 5539,2900 5593.5,2954.5 5731.68,3092.68 5812,3173 5746,3239 5649.5,3335.5 v2@5552,3433 ; 5338,3307 5464,3433 5509,3478 v2(5553,3434)
  Bottom Layer w10: v1(4469,2771) 4504,2771 4530,2797 4530,2843 4565,2878 4927,2878 5051,3002 v1(5051,3033) ; TFT_RGB.7@4555,3013.69 4619.69,3013.69 4642,3036 4642,3057 v1(4621,3078) ; v1(5067,3641) 5183,3641 v1(5372,3830) 5472,3930 v1(5574,3930) ; v1(6219.46,3075.54) 6194,3050.07 6194,2906 6260,2840 v1(6260,2745)
  Bottom Layer w20: v1(5372,3830) 5490,3712 5490,3497 v2(5553,3434)
VCC10.4: C27.1 C30.2 C31.1 C32.1 D5.2 D9.1 R17.2 R31.1 TFT_RGB.43 | length 1391.8
  Top Layer w15: 4938.59,4019.59 C27.1@5015,4019.59 ; D5.2@4945.5,3969 4981.5,3933 5039,3933 5084,3978 5105.09,3978 D9.1@5151.4,4024.31 v1(5151.4,3979.4)
  Bottom Layer w10: R17.2@4384.41,3817.04 4435.59,3765.85 C31.1@4435.59,3765.52 4469.48,3765.52 4512.65,3722.35 TFT_RGB.43@4555,3722.35 4631.35,3722.35 4700,3791 5044,3791 5090,3837 5090,3918 v1(5151.4,3979.4)
  Bottom Layer w15: C30.2@4435.59,3714 C31.1@4435.59,3765.52
VCC16: C28.2 D7.1 TFT_RGB.41 | length 985.5
  Top Layer w15: v1(5121,3895) 5151.42,3895 C28.2@5163,3906.59 5187,3930.58 5187,4060.03 D7.1@5159,4088.03 ; D7.1@5140.03,4071 D7.1@5149.03,4080
  Bottom Layer w10: TFT_RGB.41@4555,3682.98 4661.98,3682.98 4721,3742 5086,3742 5121,3777 v1(5121,3895)
VCC-7: C23.1 D6.2 TFT_RGB.42 | length 714.5
  Top Layer w15: v1(5086,3787) D6.2@5138,3787 ; C23.1@5100.59,3856 5100.59,3824.41 D6.2@5138,3787 ; D6.2@5150.06,3787 D6.2@5138,3787
  Bottom Layer w10: TFT_RGB.42@4555,3702.67 4646.67,3702.67 4714,3770 5069,3770 v1(5086,3787)
VLED+: C18.2 D1.2 TFT_RGB.1 TFT_RGB.2 | length 1817.8
  Top Layer w10: v1(4220,3717) 4243,3717 4252,3708 4350,3708 4393,3665 4494,3665 4593,3566 4644,3566 v1(4661,3549) ; v1(4241,4007) D1.2@4241,4077.5 4294.91,4077.5 C18.2@4312.41,4095
  Bottom Layer w10: v1(4220,3717) 4220,3820 4241,3841 v1(4241,4007) ; TFT_RGB.1@4555,2895.58 TFT_RGB.2@4555,2915.27 4630.27,2915.27 4680,2965 4723,2965 4745,2987 4745,3067 4633,3179 4633,3521 v1(4661,3549)
VLED-: R26.1 TFT_RGB.3 TFT_RGB.4 U2.3 | length 1332
  Top Layer w10: R26.1@4275,3758.41 4275.5,3757.91 R26.1@4283.81,3749.6 ; R26.1@4276,3758.41 4287.81,3746.6 U2.3@4330.88,3746.6 4342.4,3746.6 4404,3685 4510,3685 4600,3595 v2(4655,3595)
  Bottom Layer w10: TFT_RGB.4@4555,2954.64 TFT_RGB.3@4555,2934.95 4617.95,2934.95 4671,2988 4710,2988 4725,3003 4725,3049 4614,3160 4614,3532 4634,3552 4634,3574 v2(4655,3595)
VSYNC: RGB.32 RP7.3 U1.47 | length 1537.7
  Top Layer w6: v1(4223.39,2757.86) 4242.86,2757.86 4355,2870 4355,2914 4392.62,2951.62 RGB.32@4430.31,2951.62 4614.38,2951.62 4632,2934 v1(4702,2934) ; v1(4763,2966) 4785,2944 4785,2885 4800,2870 5150.36,2870 5242.36,2778 5341.55,2778 U1.47@5427.38,2863.83
  Bottom Layer w6: v1@4221.86,2757.86 v1(4223.39,2757.86) RP7.3@4281,2757.86 ; v1(4702,2934) 4717,2949 4746,2949 v1(4763,2966)
pads on no net: "PSW. " HD.13 HD.14 RGB.11 RGB.20 TFT_RGB.45 TFT_RGB.49 TFT_RGB.50 TFT_RGB.A TFT_RGB.B U1.40 U1.41 U1.42 U1.49 U1.50 U1.51 U1.52 U1.53 U1.54 U1.55 U1.56 U1.59 U1.60 U1.61 U1.62 U1.63 U1.64 U1.65 U1.66 U1.69 U1.70 U1.71 U1.72 U1.73 U1.74 U1.75 U1.77 U1.96 U3.1 USB. USB.3 USB.4 USB.9 USB.10

## Polygon pours and split planes (outlines as drawn)
GND on Top Layer "AutoNaming" (solid, remove dead copper, pour order 40): 4195,4133 6558,4133 6558,2684 4195,2684
GND on Top Layer "AutoNaming" (solid, remove dead copper, pour order 32): 5654.29,3480.49 5890.92,3243.86 5997.07,3350 6110,3350 6083,3407 6080,3472.96 6076.97,3494 6080,3518 6130.97,3580 6101.97,3609 6126,3584.97 6076.97,3634 5839.89,3634 5807.81,3634
GND on Bottom Layer "AutoNaming" (solid, remove dead copper, pour order 42): 6558,4133 6558,2684 4195,2684 4195,4133
NetHD_G1 on Bottom Layer "AutoNaming" (solid, remove dead copper, pour order 38): 6243.57,4081.5 6335,3990.07 6335,3852 6335,3597.93 6243.57,3506.5 6479.8,3506.5 6479.8,4081.5

## Other copper
Top Layer:
  rectangle net GND: 6096,4053 6120,4082
  region net GND: 5435,4015 5435,3963 5448,3963 5448,4015
  region net VCC3.3: 5368,3974 5368,3870 5421,3870 5421,3974
  region net VCC3.3: 5312,3974 5312,3811 5386,3811 5386,3974
  region net USB_5V: 5513,4042 5513,4003 5569,4003 5569,4042
  region net USB_5V: 5472,4025 5472,4003 5523,4003 5523,4025
  region net USB_5V: 5461,4043 5461,4003 5472,4003 5472,4043
  region net NetR28_1: 5488,3976.41 5488,3928 5555,3928 5555,3976.41
  region net NetR29_2: 5461,3929 5461,3845 5472,3845 5472,3929
  region net GND: 5261,3866 5261,3838 5289,3838 5289,3866
  rectangle net NetR1_1: 5923.59,3695 5974.41,3746
  rectangle net GND: 5260,3990 5435,4015
  rectangle net GND: 5409,4014 5422,4056
  rectangle net NetL3_2: 5435,4073 5447,4120
  rectangle net NetL3_2: 5260,4090 5435,4120
  rectangle net NetL3_2: 5260,4069 5369,4090
  rectangle net GND: 5380,4014 5411,4075
  rectangle net USB_5V: 4677,3922 4702,4032
  rectangle net NetC25_2: 4794,3921 4813,4032
  rectangle net NetC25_2: 4832,3893 4859,3920
  rectangle net VCC10.4: 4900.5,3969 4965,4057
  rectangle net NetC32_2: 4811,4093 4938,4110
  rectangle net NetC24_1: 4942,3786 4981,3818
  rectangle net NetD1_1: 4217,3862 4346,3969
  rectangle net NetD1_1: 4312,3813 4346,3862
  rectangle net USB_5V: 4391,3814 4460,4006
  rectangle net VCC3.3: 4891.18,3595.59 4942,3646
  region net GND: 5520,3005 5716.5,3201.5 5516.5,3401.5 5320,3205
  pour cut-out: 5344.62,2997.13 5335,3006.75 5335,3007
  pour cut-out: 5020.65,3273.82 5020.65,3164 4968,3159 4963,3164
  pour cut-out: 4828,3107 4882.87,3290.4 4828,3337 4760,3132
  pour cut-out: 6279.78,2753.19 6282,2755.41 6282,2786
  pour cut-out: 6129,2867 6093,2887 6095.37,2946.74 6112,2974 6116.46,2879.54 6126.81,2874.17
  pour cut-out: 5771.55,3087.3 5766.28,3082.04 5764.13,3082.04
  pour cut-out: 5632.35,2948.11 5627.09,2942.84 5624.94,2942.84
  pour cut-out: 5450.18,2900.55 5476.1,2926.47 5490.9,2926.47 5484.69,2932.68
Bottom Layer:
  pour cut-out: 5568,3812 5783,3812 5783,3745 5568,3745
  pour cut-out: 4590.53,3792.33 4595.27,3792.33 4605.16,3802.22 4700,3806.29
  pour cut-out: 4486.63,3618.99 4500.34,3632.69 4519.47,3632.69
  pour cut-out: 4414.59,3699.67 4414.59,3677.77 4473.37,3618.99
  pour cut-out: 4764.26,3660.74 4778,3674.49 4778,3733
  pour cut-out: 4753,3132 4737.46,3116.46 4737.46,2991.54 4764,2965 4834,2965 4865,2996 4865,3118 4859,3118 4840,3137
  pour cut-out: 6374.37,2886.45 6311,2890 6311,2991.66 6343.45,3024.11 6357,3029.72 6393.69,3047.76
  pour cut-out: 5907.87,3977.2 5908.15,3976.93 5908.15,3852.15 5897,3841

## Silkscreen, mask and mechanical layers (free items; w line width, h text height)
Top Overlay:
  text "Mini HDMI" at 6134,3421 h68
  text "To RGB" at 6207,3370 h68
  text "V1.0" at 6334,3326 h52
  text "RGB LCD" at 4511,3132 h52 r90
Top Solder:
  region: 5520,3006 5716.5,3202.5 5516.5,3402.5 5320,3206
  text "Lovelessing" at 6438,3929 h52 r270
Mechanical 1:
  the board outline again, w10

## Dimensions
4195,2684 to 4195,4133 on Top Overlay
4195,4133 to 6558,4133 on Top Overlay

## Text inside footprints (layer, text, board x,y; h text height)
HD: Top Overlay "1" at 6187.47,3985.23 h59.06; Top Overlay "19" at 6167.79,3564.96 h59.06
TFT_RGB: Bottom Overlay "1" at 4522,2832.71 h30; Bottom Overlay "50" at 4572,3880.71 h30